# KiCad board panel2.kicad_pcb (continued)
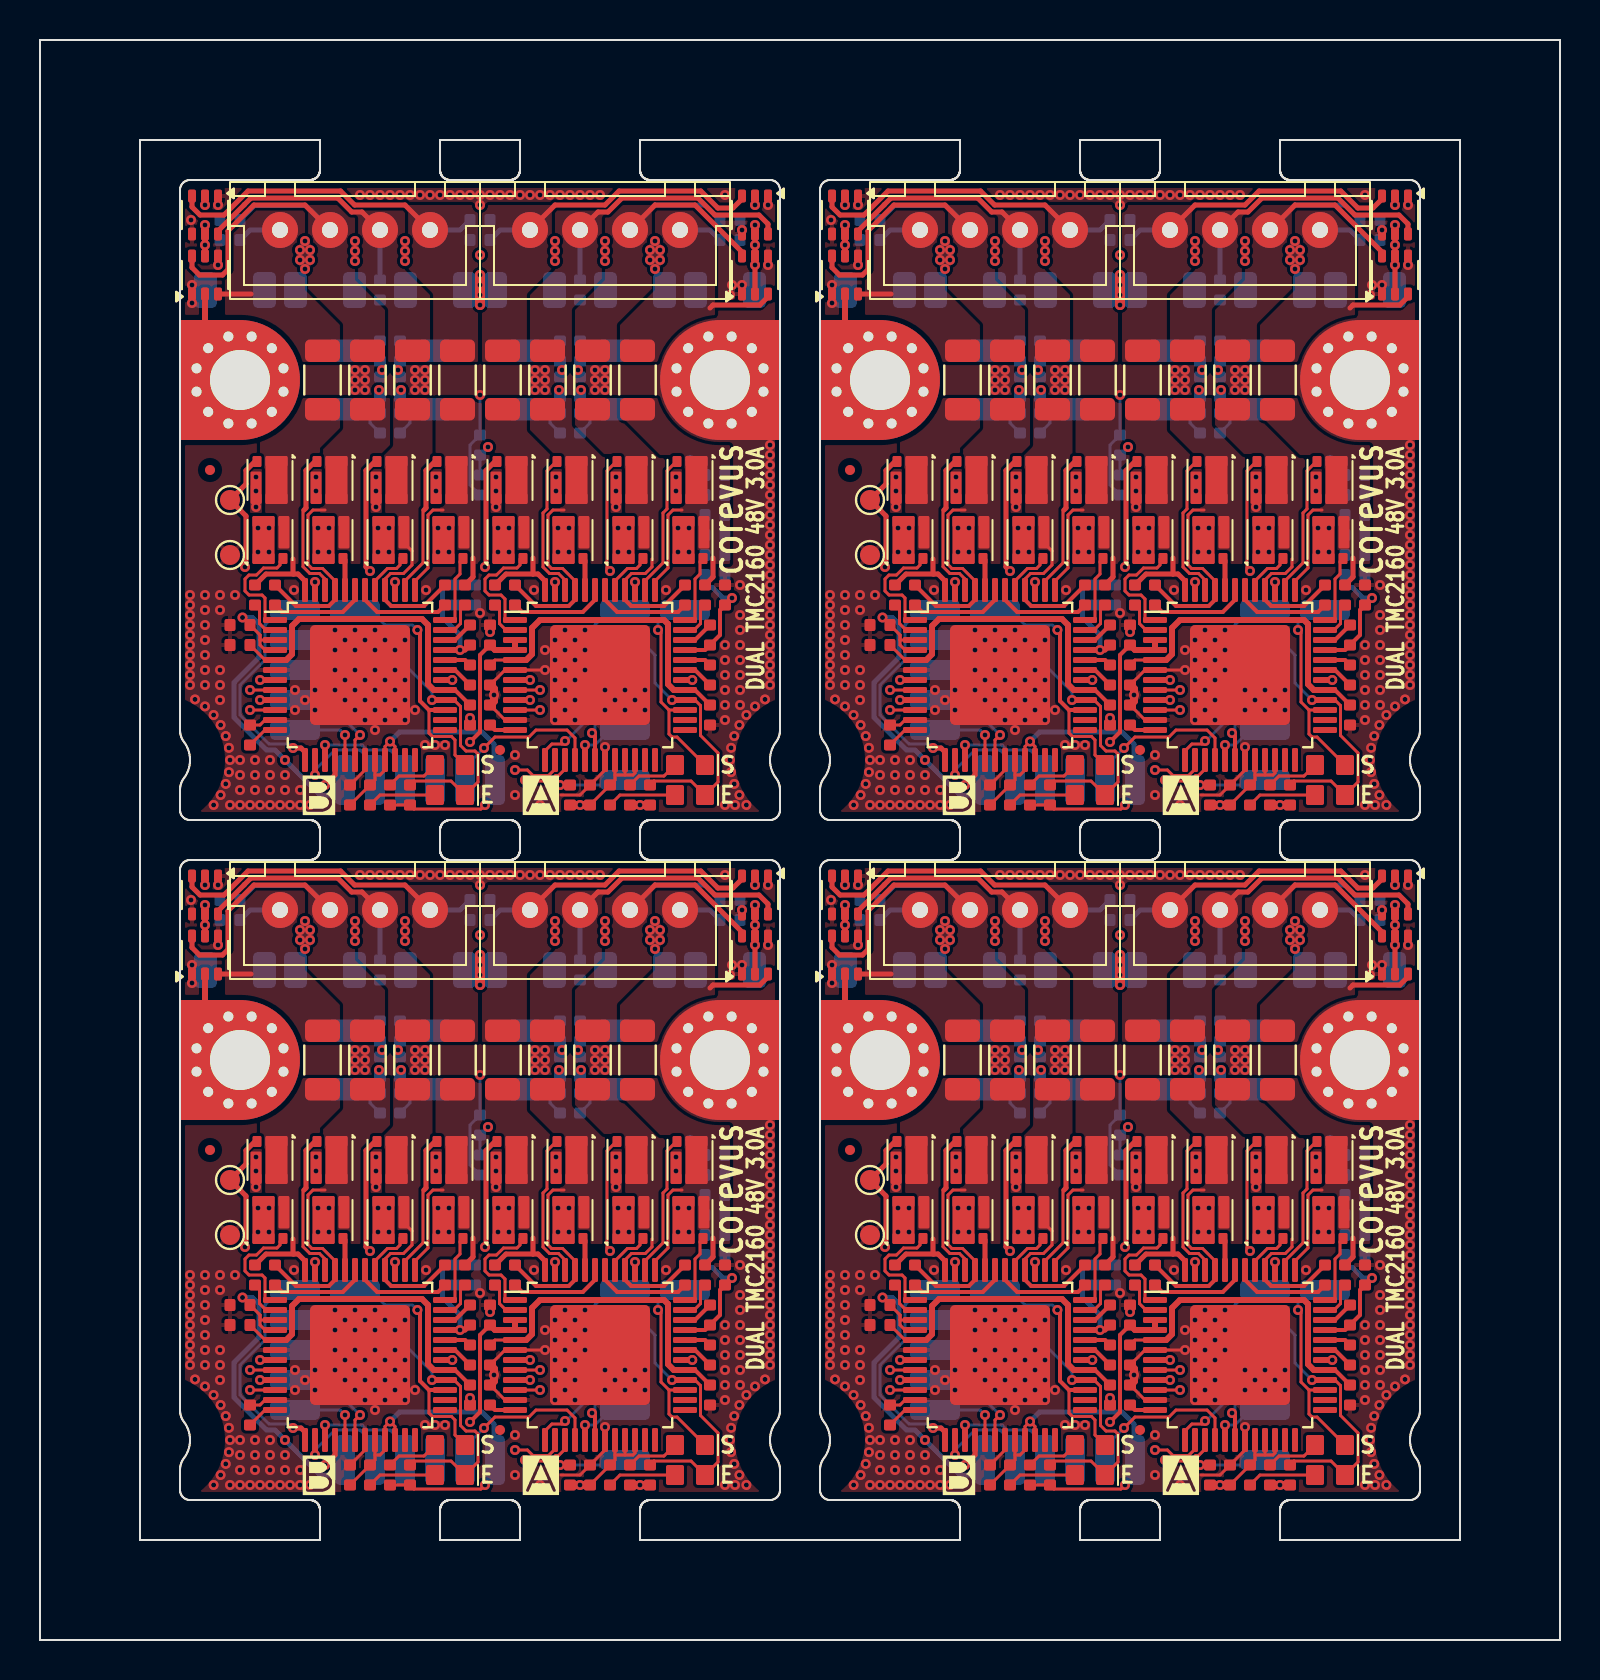
[diagram p0: board, top side]
## Nets (continued)
Board_3-/_{MB}A1': C35#4.2 D7#4.6 FB6#2.1 J2#3.3
Board_3-/_{MB}A2: C32#2.2 FB5#2.2 Q15.4 Q15.7 Q16.1 Q16.2 Q16.5 Q16.6 Q16.8 U2.37
Board_3-/_{MB}A2': C34.2 D7#4.3 FB5#2.1 J2#3.4
Board_3-/_{MB}B1: C29#2.2 FB8#2.2 Q9#2.4 Q9#2.7 Q10#2.1 Q10#2.2 Q10#2.5 Q10#2.6 Q10#2.8 U2.48
Board_3-/_{MB}B1': C37#4.2 D8#3.3 FB8#2.1 J2#3.1
Board_3-/_{MB}B2: C30.2 FB7#3.2 Q11#3.4 Q11#3.7 Q12#2.1 Q12#2.2 Q12#2.5 Q12#2.6 Q12#2.8 U2.45
Board_3-/_{MB}B2': C36#4.2 D8#3.6 FB7#3.1 J2#3.2
Board_3-/_{MB}Dir: T18.1 U2.18
Board_3-/_{MB}HA1: Q13.3 U2.41
Board_3-/_{MB}HA2: Q15.3 U2.36
Board_3-/_{MB}HB1: Q9#2.3 U2.1
Board_3-/_{MB}HB2: Q11#3.3 U2.44
Board_3-/_{MB}LA1: Q14#4.3 U2.39
Board_3-/_{MB}LA2: Q16.3 U2.38
Board_3-/_{MB}LB1: Q10#2.3 TP5.1 U2.47
Board_3-/_{MB}LB2: Q12#2.3 U2.46
Board_3-/_{MB}SRAH: C41.2 R19.2 U2.8
Board_3-/_{MB}SRAL: C41.1 R21#4.2 U2.7
Board_3-/_{MB}SRBH: C33#2.2 R14#3.2 U2.9
Board_3-/_{MB}SRBL: C33#2.1 R15.2 U2.10
Board_3-/_{MB}Stall: D6#2.1 T1#4.1 U2.27
Board_3-/_{MB}Step: T15#3.1 U2.17
Board_3-/_{MB}~{CS}: T2.1 U2.13
Board_3-/_{MB}~{En}: D5#2.1 R4#2.2 T19#4.1 U2.28
Board_3-/SCK: T4#4.1 U1.14 U2.14
Board_3-/SDI: T6.1 U1.15 U2.15
Board_3-/SDO: T7#2.1 U1.16 U2.16
Board_3-/THERM: C13#2.1 R20#3.1 T9.1 TH1#2.1
Board_3-GND: C3#3.1 C4#2.1 C5#4.1 C6#3.2 C7#2.2 C12#4.2 C13#2.2 C14#3.2 C15.2 C16#3.1 C17#4.1 C18.1 C19#2.1 C24#4.1 C25.1 C26.1 C27.2 C28.2 C34.1 C35#4.1 C36#4.1 C37#4.1 C38#3.2 C39.2 C40#2.2 C42#3.2 C43#4.2 C44.2 C45#2.2 C46.2 C47#2.2 C48#3.2 C49#3.2 C50#3.2 D3#3.1 D3#3.4 D4#4.1 D4#4.4 D7#4.1 D7#4.4 D8#3.1 D8#3.4 H2#4.1 NT2.2 NT4.1 NT6#3.2 NT8#4.1 R3#2.2 R5.2 R10#4.2 R13#2.2 R17.2 R18#2.2 T5#2.1 T12#3.1 T16#3.1 TH1#2.2 TP1.1 U1.6 U1.11 U1.19 U1.30 U1.49 U2.6 U2.11 U2.19 U2.30 U2.49
Board_3-Net-(D1-A): D1.2 R1#3.2
Board_3-Net-(D2-A): D2#4.2 R16#4.2
Board_3-Net-(D5-A): D5#2.2 R6.2
Board_3-Net-(D6-A): D6#2.2 R7.2
Board_3-Net-(NT1-Pad1): NT1#2.1 R8#4.1
Board_3-Net-(NT1-Pad2): NT1#2.2 Q2.4 Q2.7 Q4#2.4 Q4#2.7 R10#4.1
Board_3-Net-(NT2-Pad1): NT2.1 R9#2.1
Board_3-Net-(NT3-Pad1): NT3#2.1 Q6.4 Q6.7 Q8#3.4 Q8#3.7 R13#2.1
Board_3-Net-(NT3-Pad2): NT3#2.2 R11.1
Board_3-Net-(NT4-Pad2): NT4.2 R12#2.1
Board_3-Net-(NT5-Pad1): NT5.1 R14#3.1
Board_3-Net-(NT5-Pad2): NT5.2 Q10#2.4 Q10#2.7 Q12#2.4 Q12#2.7 R17.1
Board_3-Net-(NT6-Pad1): NT6#3.1 R15.1
Board_3-Net-(NT7-Pad1): NT7#2.1 Q14#4.4 Q14#4.7 Q16.4 Q16.7 R18#2.1
Board_3-Net-(NT7-Pad2): NT7#2.2 R19.1
Board_3-Net-(NT8-Pad2): NT8#4.2 R21#4.1
Board_3-Net-(U1-5VOUT): C4#2.2 C5#4.2 U1.5 U1.29
Board_3-Net-(U1-CA1): C10#2.1 U1.42
Board_3-Net-(U1-CA2): C11#4.1 U1.35
Board_3-Net-(U1-CB1): C8#4.1 U1.2
Board_3-Net-(U1-CB2): C9#2.1 U1.43
Board_3-Net-(U1-CLK): R3#2.1 U1.12
Board_3-Net-(U1-CPI): C2#4.2 U1.32
Board_3-Net-(U1-CPO): C2#4.1 U1.31
Board_3-Net-(U1-VCP): C1#3.1 U1.34
Board_3-Net-(U2-5VOUT): C24#4.2 C25.2 U2.5 U2.29
Board_3-Net-(U2-CA1): C31#2.1 U2.42
Board_3-Net-(U2-CA2): C32#2.1 U2.35
Board_3-Net-(U2-CB1): C29#2.1 U2.2
Board_3-Net-(U2-CB2): C30.1 U2.43
Board_3-Net-(U2-CLK): R5.1 U2.12
Board_3-Net-(U2-CPI): C23#4.2 U2.32
Board_3-Net-(U2-CPO): C23#4.1 U2.31
Board_3-Net-(U2-VCP): C22#4.1 U2.34
Board_3-unconnected-(U1-DCEN_CFG4-Pad23): U1.23
Board_3-unconnected-(U1-DCIN_CFG5-Pad24): U1.24
Board_3-unconnected-(U1-DCO_CFG6-Pad25): U1.25
Board_3-unconnected-(U1-DIAG0-Pad26): U1.26
Board_3-unconnected-(U2-DCEN_CFG4-Pad23): U2.23
Board_3-unconnected-(U2-DCIN_CFG5-Pad24): U2.24
Board_3-unconnected-(U2-DCO_CFG6-Pad25): U2.25
Board_3-unconnected-(U2-DIAG0-Pad26): U2.26
Board_3-VCC: C3#3.2 C26.2 R1#3.1 R2#4.1 R4#2.1 R6.1 R7.1 R16#4.1 R20#3.2 T8#2.1 U1.20 U1.21 U1.22 U2.20 U2.21 U2.22

## Via types
v1: diameter 0.5, hole 0.25, Top to Bottom, 1576 vias

## Routing (per net, layer and track width the routed paths; a pad name or vN(x,y) marks a point on that pad's centre or on a via; arc(x,y) is an arc through that point)
Board_0-+12V: length 36.4
  Top w0.15: 11,50.25 11,49.75 11.25,49.5 ; 11,50.25 C27#2.1 v1(10.12,51.12) ; 11,50.25 11,50 U2#4.3
  Top w0.2: C6#2.1 22,49.25 22,45.4 v1(21.5,44.9)
  Top w0.3: C6#2.1 22.75,49.5 U1#4.4 U1#4.3
  In2.Cu w0.25: v1(12.25,44) 12.75,44 14,45.25 14.5,45.25 14.75,45 14.75,43.25 15,43 20.25,43 21.5,44.25 v1(21.5,44.9)
  Bottom w0.25: v1(10.12,51.12) 10.62,51.12 10.95,50.8 10.95,49.12 9.7,47.87 9.7,46.13 11.33,44.5 11.75,44.5 v1(12.25,44) 14,42.25 15.25,42.25
Board_0-+48V: length 19.3
  Top w0.2: U1#4.33 33.25,49.5 34,50.25 34,51.5 v1(34.6,52.1)
  Top w0.25: 35.75,67.55 v1(35.75,68.75) v1(35.75,69.75) v1(35.75,70.75) ; C22.2 21.25,49.5 v1(21,49.5) U2#4.33 ; D3#4.2 v1(35.75,71.75)
  Top w0.3: D8#4.2 8.25,65.5 ; v1(8.25,70.75) v1(8.25,69.75) D8#4.5
  Top w0.5: v1(22,68.25) v1(22,66.75)
  Bottom w0.25: 20.12,52.75 20.12,51.12 21,50.25 v1(21,49.5) ; 33.12,52.62 33.62,52.62 34.15,52.1 v1(34.6,52.1)
  vias: v1(8.25,71.75) v1(10.9,55.6) v1(10.9,54.4) v1(11.45,55.6) v1(11.45,54.4) v1(13,69.5) v1(13,69) v1(13.25,69.95) v1(13.25,68.55) v1(13.5,69.5) v1(13.5,69) v1(13.9,55.6) v1(13.9,54.4) v1(14.45,55.6) v1(14.45,54.4) v1(16.9,55.6) v1(16.9,54.4) v1(17.45,55.6) v1(17.45,54.4) v1(19.9,55.6) v1(19.9,54.4) v1(20.45,55.6) v1(20.45,54.4) v1(22,67.75) v1(22,67.25) v1(22.9,55.6) v1(22.9,54.4) v1(23.45,55.6) v1(23.45,54.4) v1(25.9,55.6) v1(25.9,54.4) v1(26.45,55.6) v1(26.45,54.4) v1(28.9,55.6) v1(28.9,54.4) v1(29.45,55.6) v1(29.45,54.4) v1(30.5,69.5) v1(30.5,69) v1(30.75,69.95) v1(30.75,68.55) v1(31,69.5) v1(31,69) v1(31.9,55.6) v1(31.9,54.4) v1(32.45,55.6) v1(32.45,54.4)
Board_0-/_{MA}A1: length 5.6
  Top w0.15: 30.6,54.05 30.6,53.66 30.27,53.33 29.57,53.33 29.25,53
  Top w0.2: C10#3.2 31.2,51.7 29.56,51.7 29.25,52.01
Board_0-/_{MA}A1': length 12.6
  Top w0.25: J1.3 30.75,71.75 32.75,71.75 35.1,69.4 D4#3.6
  Bottom w0.25: C17.2 33.25,71.75 30.75,71.75 J1.3
Board_0-/_{MA}A2: length 5.9
  Top w0.15: 32.1,56.5 31.65,56.5 31.4,56.25 31.4,53.6 30.75,52.95
  Top w0.25: C11.2 33.65,53.15 33.65,54.1
Board_0-/_{MA}A2': length 5.6
  Top w0.25: 33.5,66.6 33.65,66.75 35.99,66.75 36.4,67.16 36.4,67.4
  Bottom w0.25: J1.4 33.5,70.5 C16#2.2
Board_0-/_{MA}B1: length 3.7
  Top w0.25: C8.2 23.3,53.3 24.65,53.3 ; 25.25,52.95 24.9,53.3 24.65,53.3 ; 24.65,53.3 24.65,54.1
Board_0-/_{MA}B1': length 14.3
  Top w0.25: D3#4.3 35.1,72.05 34.65,71.6 33.89,71.6 33.04,72.45 28.95,72.45 28.25,71.75 25.75,71.75 J1.1
  Bottom w0.25: J1.1 23,70.5 C19#3.2
Board_0-/_{MA}B2: length 8.6
  Top w0.15: 26.75,52.96 26.13,53.58 25.58,53.58 25.4,53.75 25.4,56.25 25.65,56.5 26.2,56.5
  Top w0.2: C9#3.2 24.8,51.7 26.44,51.7 26.75,52.01
Board_0-/_{MA}B2': length 13.1
  Top w0.25: D3#4.6 36.4,70.8 35.95,71.25 33.74,71.25 32.89,72.1 29.1,72.1 28.4,71.4 27.9,71.4 J1.2
  Bottom w0.25: C18#4.2 27,70
Board_0-/_{MA}Dir: length 4.9
  Top w0.2: U1#4.18 27.75,45.2 v1(27.6,45.35)
  Bottom w0.15: 28.5,48.5 27.75,47.75 27.75,45.5 v1(27.6,45.35)
Board_0-/_{MA}HA1: length 1.8
  Top w0.15: 28.75,52.96 29.37,53.58 29.82,53.58 30,53.75 30,53.92
Board_0-/_{MA}HA2: length 3
  Top w0.15: 33,53.92 33,53.3 32.75,53.05 32.75,51
Board_0-/_{MA}HB1: length 5.2
  Top w0.15: 23.25,51 23.25,52.05 23.05,52.25 22.45,52.25 22.25,52.45 22.25,53.05 22.45,53.25 22.83,53.25 23.18,53.6 23.85,53.6 24,53.75 24,54.05
Board_0-/_{MA}HB2: length 1.5
  Top w0.25: 27.25,53.98 U1#4.44
Board_0-/_{MA}LA1: length 7.2
  Top w0.15: v1(28.5,53.45) 28.35,53.6 28.35,58.46 28.82,58.92
  In2.Cu w0.25: v1(29.75,52.9) 29.05,52.9 v1(28.5,53.45)
Board_0-/_{MA}LA2: length 6.6
  Top w0.15: 30.25,52.96 31.15,53.86 31.15,56.35 31.35,56.55 31.35,58.46 31.82,58.92
Board_0-/_{MA}LB1: length 10.2
  Top w0.25: v1(22.25,53.65) 22.3,53.7 22.3,58.48 22.75,58.92
  In2.Cu w0.25: v1(22.25,53.65) 23.95,51.95 24.95,51.95 25.75,52.75 v1(25.75,52.9)
Board_0-/_{MA}LB2: length 6.9
  Top w0.15: 25.82,58.92 25.35,58.46 25.35,56.55 25.15,56.35 25.15,53.65 25.47,53.33 25.93,53.33 26.25,53
Board_0-/_{MA}SRAH: length 19.6
  Top w0.15: U1#4.8 v1(25,47.5)
  In2.Cu w0.15: v1(25,47.5) 25,48.1 24.5,48.6 24.5,49.5 27.75,52.75 27.75,53.5 28,54.12 28,59.35 26.88,60.48 26.88,62.33 v1(27.05,62.5)
  Bottom w0.4: v1(27.05,62.5) 27,62.45 C21.2 R11#2.2
Board_0-/_{MA}SRAL: length 19.2
  Top w0.15: U1#4.7 v1(24.5,48)
  In2.Cu w0.15: v1(26.9,63.5) 26.62,63.23 26.62,60.38 27.75,59.25 27.75,54.25 27.5,53.62 27.5,52.85 24.25,49.6 24.25,48.25 v1(24.5,48)
  Bottom w0.4: R12.2 26.9,63.85 26.9,63.25 C21.1
Board_0-/_{MA}SRBH: length 23.1
  Top w0.15: U1#4.9 v1(24.5,47)
  In2.Cu w0.15: v1(25.95,62.5) 26.12,62.33 26.12,60.17 27.25,59.04 27.25,54.5 27,53.88 27,53.06 23.75,49.81 23.75,46.8 24.55,46 25.12,46 25.43,46.3 25.43,46.7 25.12,47 v1(24.5,47)
  Bottom w0.4: v1(25.95,62.5) 26,62.45 C20#2.2 R8.2
Board_0-/_{MA}SRBL: length 21.9
  Top w0.15: U1#4.10 v1(25,46.5)
  In2.Cu w0.15: v1(26.1,63.5) 26.38,63.23 26.38,60.27 27.5,59.15 27.5,54.38 27.25,53.75 27.25,52.96 24,49.71 24,46.9 24.4,46.5 v1(25,46.5)
  Bottom w0.4: C20#2.1 26.1,63.25 26.1,63.85 R9#3.2
Board_0-/_{MA}Stall: length 9.9
  Top w0.15: v1(30.9,50.5) 31.05,50.35 31.05,46.9 31.45,46.5 ; 31.45,46.5 31.45,45.3 31.6,45.15 31.85,45.15 D2#3.1 ; 31.45,46.5 U1#4.27
  Bottom w0.15: v1(30.9,50.5) 30.9,50.9 31.5,51.5
Board_0-/_{MA}Step: length 2.3
  Top w0.2: U1#4.17 v1(27.25,44.75)
  Bottom w0.15: v1(27.25,44.75) 27.75,44.75 28.5,45.5
Board_0-/_{MA}~{CS}: length 8.7
  Top w0.15: 25.25,44.46 25.59,44.8 26.1,44.8 v1(26.25,44.95)
  Bottom w0.15: v1(26.25,44.95) 26.3,44.95 27.5,46.15 27.5,47.85 27.75,48.1 27.75,50.75 28.5,51.5
Board_0-/_{MA}~{En}: length 12.9
  Top w0.15: 32.75,47 33.03,46.73 33.03,45.23 33.9,44.35 33.9,42.9 D1#4.1 32.55,42.95 30.7,42.95 R2#3.2 ; U1#4.28 v1(31.6,47)
  Bottom w0.15: 30.05,49.95 30.75,49.25 30.75,47.85 v1(31.6,47)
Board_0-/_{MB}A1: length 7
  Top w0.15: U2#4.40 17.25,53.05 17.53,53.33 18.18,53.33 18.6,53.75 18.6,54.45 18.2,54.85
  Top w0.2: 17.25,52.01 17.56,51.7 19.2,51.7 C31#3.2
Board_0-/_{MB}A1': length 11.4
  Top w0.25: 8.9,70.45 10.55,72.1 14.88,72.1 15.58,71.4 16.1,71.4 J2#2.3
  Bottom w0.25: C35.2 17,70
Board_0-/_{MB}A2: length 5.9
  Top w0.15: 20.15,56.5 19.65,56.5 19.4,56.25 19.4,53.6 18.75,52.95
  Top w0.25: C32#4.2 21.65,53.15 21.65,54.1
Board_0-/_{MB}A2': length 16.1
  Top w0.25: D7.3 7.6,71.65 8,71.25 9.2,71.25 10.4,72.45 15.03,72.45 15.73,71.75 18.25,71.75 J2#2.4
  Bottom w0.25: C34#4.2 21,70.5 J2#2.4
Board_0-/_{MB}B1: length 3.6
  Top w0.25: 12.65,53.3 12.65,54.05 ; 13.25,52.95 12.9,53.3 11.3,53.3 C29#4.2
Board_0-/_{MB}B1': length 3.9
  Top w0.25: D8#4.3 10.55,67.3
  Bottom w0.25: J2#2.1 10.5,70.5 C37.2
Board_0-/_{MB}B2: length 8.7
  Top w0.15: 14.75,52.96 14.13,53.58 13.6,53.58 13.4,53.77 13.4,56.25 13.65,56.5 14.25,56.5
  Top w0.2: C30#2.2 12.8,51.7 14.44,51.7 14.75,52.01
Board_0-/_{MB}B2': length 16
  Top w0.25: J2#2.2 13.25,71.75 10.69,71.75 9.4,70.46 9.4,68.53 9.12,68.25 7.97,68.25 7.6,68.62 D8#4.6
  Bottom w0.25: J2#2.2 13.28,71.72 10.72,71.72 C36.2
Board_0-/_{MB}Dir: length 5.6
  Top w0.15: U2#4.18 15.75,45 v1(16,45.25)
  Bottom w0.15: v1(16,45.25) 14.25,47 14.25,47.75 13.5,48.5
Board_0-/_{MB}HA1: length 1.9
  Top w0.15: 16.75,52.96 17.37,53.58 17.82,53.58 18,53.75 18,54.1
Board_0-/_{MB}HA2: length 3
  Top w0.15: 21,53.92 21,53.3 20.75,53.05 20.75,51
Board_0-/_{MB}HB1: length 5.1
  Top w0.15: 12,53.93 12,53.75 11.85,53.6 11.18,53.6 10.83,53.25 10.45,53.25 10.25,53.05 10.25,52.45 10.45,52.25 11.1,52.25 11.25,52.1 11.25,51
Board_0-/_{MB}HB2: length 1.5
  Top w0.25: U2#4.44 15.25,54
Board_0-/_{MB}LA1: length 7.2
  Top w0.25: v1(16.5,53.45) 16.3,53.65 16.3,58.48 16.75,58.92
  In2.Cu w0.25: v1(16.5,53.45) 17.05,52.9 v1(17.75,52.9)
Board_0-/_{MB}LA2: length 6.6
  Top w0.15: 18.25,52.96 19.15,53.86 19.15,56.5
  Top w0.25: 19.2,56.5 19.3,56.6 19.3,58.48 19.75,58.92
Board_0-/_{MB}LB1: length 10.8
  Top w0.25: v1(10.25,53.65) 10.3,53.7 10.3,56.2 TP5#2.1 10.3,57.8 10.3,58.48 10.75,58.93
  In2.Cu w0.25: v1(13.75,52.9) 13.75,52.75 12.95,51.95 11.95,51.95 v1(10.25,53.65)
Board_0-/_{MB}LB2: length 7.4
  Top w0.15: 13.15,56.5 13.15,53.67 13.49,53.33 13.97,53.33 14.25,53.05 U2#4.46
  Top w0.25: 13.2,56.5 13.3,56.6 13.3,58.48 13.75,58.92
Board_0-/_{MB}SRAH: length 20.8
  Top w0.15: v1(10.5,47.5) U2#4.8
  In2.Cu w0.15: v1(10.5,47.5) 11.15,47.5 15.75,52.1 15.75,53.5 16,54.12 16,58.84 17.88,60.72 17.88,62.33 v1(18.05,62.5)
  Bottom w0.3: C41#2.2 R19#2.2
  Bottom w0.4: v1(18.05,62.5) 18.05,62.2
Board_0-/_{MB}SRAL: length 19.4
  In2.Cu w0.15: v1(17.9,63.5) 17.62,63.23 17.62,60.82 15.75,58.95 15.75,54.25 15.5,53.62 15.5,52.21 11.29,48 v1(11,48)
  Bottom w0.4: C41#2.1 17.9,63.25 v1(17.9,63.5) 17.9,63.85 R21#2.2
Board_0-/_{MB}SRBH: length 22.9
  In2.Cu w0.15: v1(16.95,62.5) 17.12,62.33 17.12,61.03 15.25,59.15 15.25,54.5 15,53.88 15,52.41 11.34,48.75 10.65,48.75 9.75,47.85 9.75,46.5 10.25,46 10.75,46 11,46.25 v1(11,47)
  Bottom w0.3: C33#4.2 R14#2.2
  Bottom w0.4: v1(16.95,62.5) 16.95,62.2
Board_0-/_{MB}SRBL: length 22.9
  Top w0.15: v1(10.5,46.5) U2#4.10
  In2.Cu w0.15: v1(17.1,63.5) 17.38,63.23 17.38,60.93 15.5,59.05 15.5,54.38 15.25,53.75 15.25,52.31 11.44,48.5 10.75,48.5 10,47.75 10,47 v1(10.5,46.5)
  Bottom w0.4: R15#4.2 17.1,63.85 v1(17.1,63.5) 17.1,63.25 C33#4.1
Board_0-/_{MB}Stall: length 11.9
  Top w0.15: D6#3.1 20.75,44.25 20.75,45 20.57,45.17 19.62,45.17 19.45,45.34 19.45,46.5
  Top w0.2: U2#4.27 19.45,46.5 19,46.95 19,50.37 v1(18.87,50.5)
  Bottom w0.15: v1(18.87,50.5) 18.62,50.75 17.25,50.75 16.5,51.5
Board_0-/_{MB}Step: length 3.9
  Top w0.15: v1(15.25,45.25) U2#4.17
  Bottom w0.15: T15.1 15,45.5 v1(15.25,45.25)
Board_0-/_{MB}~{CS}: length 10.1
  Top w0.25: 13.25,44.4 13.05,44.6 v1(12.65,44.6)
  Bottom w0.15: v1(12.65,44.6) 12.45,44.8 11.45,44.8 10,46.25 10,47.75 11.25,49 11.25,50.75 12,51.5
Board_0-/_{MB}~{En}: length 17.1
  Top w0.15: 20.71,47 21.03,46.68 21.03,44.73 21.3,44.45 21.75,44.45 21.9,44.3 21.9,42.9 D5.1 20.55,42.95 18.7,42.95 R4.2 ; U2#4.28 v1(19.6,47)
  Bottom w0.15: 13.5,50 14.5,49 18,49 19.6,47.4 v1(19.6,47)
Board_0-/SCK: length 18.3
  Top w0.15: 25.75,43.54 25.43,43.23 24.64,43.23 24.37,43.5 v1(23.75,43.5)
  Top w0.25: v1(13.75,43.25) U2#4.14
  In2.Cu w0.15: v1(13.75,43.25) 13.75,42.6 14.1,42.25 20.5,42.25 21.25,43 23.25,43 v1(23.75,43.5)
  Bottom w0.15: v1(13.75,43.25) 13.75,43.5 14.75,44.5 16,44.5 16.75,43.75
Board_0-/SDI: length 21.6
  Top w0.15: 26.25,43.54 25.93,43.23 25.78,43.23 25.51,42.95 24.3,42.95 v1(24.25,43)
  Top w0.25: v1(14.25,44.75) U2#4.15
  In2.Cu w0.15: v1(14.25,44.75) 13.25,43.75 13.25,43.15 13.5,42.9 13.5,42.5 14,42 20.6,42 21.35,42.75 23.35,42.75 23.6,43 v1(24.25,43)
  Bottom w0.15: v1(14.25,44.75) 16.1,44.75 16.35,44.5 17.5,44.5 18.25,43.75
Board_0-/SDO: length 18.1
  Top w0.15: U1#4.16 26.75,45.1 26.35,45.5 24.8,45.5 24.45,45.15 22.75,45.15 v1(22.2,44.6)
  Top w0.25: U2#4.16 14.75,43.25 v1(14.25,42.75)
  In2.Cu w0.15: v1(14.25,42.75) 14.5,42.5 20.4,42.5 22.2,44.3 v1(22.2,44.6)
  Bottom w0.15: v1(22.2,44.6) 21.25,43.65
Board_0-/THERM: length 24.2
  Top w0.15: v1(26,42.75) R20#4.1
  In2.Cu w0.25: v1(22.4,59.65) 21.5,58.75 21.5,47.25 v1(26,42.75)
  Bottom w0.15: v1(22.4,59.65) C13#3.1 TH1#3.1 ; v1(26,42.75) 29,42.75
Board_0-GND: length 73.1
  Top w0.15: U1#4.6 25.25,48.5 v1(25.25,48.5) ; 28.25,43.5 C3#2.1 27,42.25 26.05,42.25 ; 23.25,48.5 C4#3.1 ; C25#2.1 v1(21.5,46.1) ; 11.25,46 11,45.75 R5#4.2 ; 23.25,46 R3#3.2 ; C26#4.1 16.25,43.5
  Top w0.25: v1(8.9,68.75) D8#4.4 ; U1#4.19 28.25,44.65 v1(28.25,44.65)
  Top w0.3: v1(8.9,71.75) D7.1
  Top w0.4: R3#3.2 22.7,46.95 22.7,47.55 C4#3.1
  In2.Cu w0.1: 14.55,53.5 14.95,54.5 14.95,54.55 ; 16.05,53.5 16.25,54 ; 26.55,53.5 26.95,54.5 ; 28.05,53.5 28.25,54
  In2.Cu w0.15: v1(16.25,62.5) 16.88,61.88 16.88,61.13 15,59.26 15,54.6 14.95,54.55 ; 16.25,54 16.25,58.74 18.12,60.62 18.12,61.88 v1(18.75,62.5) ; v1(16.25,63.5) 16.75,64 18.25,64 v1(18.75,63.5) ; v1(25.25,63.5) 25.75,64 27.25,64 v1(27.75,63.5) ; v1(27.75,62.5) 27.12,61.88 27.12,60.58 28.25,59.46 28.25,54 ; 26.95,54.5 27,54.55 27,58.94 25.88,60.06 25.88,61.88 v1(25.25,62.5)
  In2.Cu w0.5: H2#2.1 36.5,60.5 v1(36.5,59.75) v1(36.5,53.25)
  Bottom w0.15: v1(22,62.25) C13#3.2 21.5,59.75 21.5,57.75 TH1#3.2
  vias: v1(7.55,71) v1(7.5,52.25) v1(7.5,51.75) v1(7.5,51.25) v1(7.5,50.75) v1(7.5,50.25) v1(7.5,49.75) v1(7.5,49.25) v1(7.5,48.75) v1(7.5,48.25) v1(7.5,47.75) v1(7.6,67.75) v1(7.6,66.85) v1(7.75,47.03) v1(8.25,46.68) v1(8.25,52.25) v1(8.25,51.5) v1(8.25,50.75) v1(8.25,50) v1(8.25,49.25) v1(8.25,48.5) v1(8.25,47.75) v1(8.68,46.25) v1(8.68,41.75) v1(9,52.25) v1(9,51.5) v1(9,48.5) v1(9,47.75) v1(9,47) v1(9.03,45.75) v1(9.03,42.25) v1(9.29,45.2) v1(9.29,42.8) v1(9.45,44.61) v1(9.45,43.39) v1(9.5,44) v1(9.5,41.75) v1(9.75,52.25) v1(10,44) v1(10,43.25) v1(10,42.5) v1(10,41.75) v1(10.5,41.75) v1(10.75,44) v1(10.75,43.25) v1(10.75,42.5) v1(11,41.75) v1(11.5,44) v1(11.5,43.25) v1(11.5,42.5) v1(11.5,41.75) v1(12,41.75) v1(12.25,43.25) v1(12.25,42.5) v1(12.5,41.75) v1(12.7,52.5) v1(12.75,47.5) v1(12.75,46.5) v1(13,42.5) v1(13,41.75) v1(13.25,47) v1(13.5,41.75) v1(13.75,47.5) v1(13.75,46.5) v1(14.75,50.5) v1(14.75,49.5) v1(14.75,48.5) v1(14.75,47.5) v1(15.25,50) v1(15.25,48) v1(15.25,47) v1(15.75,69.95) v1(15.75,69.45) v1(15.75,68.95) v1(15.75,63.5) v1(15.75,63) v1(15.75,62.5) v1(15.75,50.5) v1(15.75,49.5) v1(15.75,48.5) v1(15.75,47.5) v1(15.75,46.5) v1(16,72.25) v1(16.25,63) v1(16.25,50) v1(16.25,48) v1(16.25,47) v1(16.25,46) v1(16.5,72.25) v1(16.75,50.5) v1(16.75,49.5) v1(16.75,48.5) v1(16.75,47.5) v1(16.75,46.5) v1(16.75,45.5) v1(17,72.25) v1(17.25,50) v1(17.25,48) v1(17.25,47) v1(17.25,46) v1(17.5,72.25) v1(17.75,49.5) v1(17.75,48.5) v1(17.75,47.5) v1(17.75,46.5) v1(18,72.25) v1(18.25,69.95) v1(18.25,69.45) v1(18.25,68.95) v1(18.25,50) v1(18.25,48) v1(18.25,47) v1(18.25,46) v1(18.5,72.25) v1(18.75,63) v1(18.75,46.5) v1(19,72.25) v1(19.25,63.5) v1(19.25,63) v1(19.25,62.5) v1(19.3,52.5) v1(19.25,44.75) v1(19.5,72.25) v1(19.75,44.75) v1(20,72.25) v1(20.25,44.75) v1(20.5,72.25) v1(20.61,48) v1(21,72.25) v1(21.5,72.25) v1(22,72.25) v1(22,71.75) v1(22,69.25) v1(22,51.35) v1(22.5,72.25) v1(22.5,50.4) v1(22.7,47.25) v1(23,72.25) v1(23.5,72.25) v1(23.75,44.25) v1(23.75,42.25) v1(24,72.25) v1(24.5,72.25) v1(24.75,63.5) v1(24.75,63) v1(24.75,62.5) v1(24.7,52.5) v1(25,72.25) v1(25,41.75) v1(25.25,63) v1(25.25,49.5) v1(25.5,72.25) v1(25.75,69.95) v1(25.75,69.45) v1(25.75,68.95) v1(25.75,50) v1(25.75,49) v1(25.75,48) v1(25.75,47) v1(25.75,46) v1(26,72.25) v1(26.25,50.5) v1(26.25,49.5) v1(26.25,48.5) v1(26.25,47.5) v1(26.25,46.5) v1(26.5,72.25) v1(26.75,50) v1(26.75,49) v1(26.75,48) v1(26.75,47) v1(26.75,46) v1(27,72.25) v1(27.25,50.5) v1(27.25,49.5) v1(27.25,48.5) v1(27.5,72.25) v1(27.75,63) v1(28,72.25) v1(28.25,69.95) v1(28.25,69.45) v1(28.25,68.95) v1(28.25,63.5) v1(28.25,63) v1(28.25,62.5) v1(28.25,47.5) v1(28.25,46.5) v1(28.75,47) v1(29.25,47.5) v1(29.25,46.5) v1(29.75,47) v1(30.25,47.5) v1(30.25,46.5) v1(31.3,52.5) v1(32.61,48) v1(34.25,72.25) v1(34.25,49.75) v1(34.25,49) v1(34.25,48.25) v1(34.25,47.5) v1(34.25,46.75) v1(34.25,46) v1(34.25,41.75) v1(34.5,67.25) v1(34.5,44) v1(34.6,67.75) v1(34.55,44.61) v1(34.55,43.39) v1(34.71,45.2) v1(34.71,42.8) v1(34.75,41.75) v1(35,52.75) v1(35,51.25) v1(35,50.5) v1(35,49.75) v1(35,49) v1(35,48.25) v1(35,47.5) v1(35,46.75) v1(34.97,45.75) v1(34.97,42.25) v1(35.1,70.5) v1(35.1,67.75) v1(35.32,46.25) v1(35.32,41.75) v1(35.75,46.68) v1(36.25,47.03) v1(36.4,71.75) v1(36.4,68.75) v1(36.5,59.25) v1(36.5,58.75) v1(36.5,58.25) v1(36.5,57.75) v1(36.5,57.25) v1(36.5,56.75) v1(36.5,56.25) v1(36.5,55.75) v1(36.5,55.25) v1(36.5,54.75) v1(36.5,54.25) v1(36.5,53.75) v1(36.5,52.75) v1(36.5,52.25) v1(36.5,51.75) v1(36.5,51.25) v1(36.5,50.75) v1(36.5,50.25) v1(36.5,49.75) v1(36.5,49.25) v1(36.5,48.75) v1(36.5,48.25) v1(36.5,47.75)
Board_0-Net-(D1-A): length 3.5
  Top w0.15: R1#4.2 29,42.25 D1#4.2
Board_0-Net-(D2-A): length 2.7
  Top w0.15: D2#3.2 31.2,43.2 29.95,43.2 R16#3.2
Board_0-Net-(D5-A): length 3.5
  Top w0.15: D5.2 17,42.25 R6#3.2
Board_0-Net-(D6-A): length 2.7
  Top w0.15: R7#2.2 17.95,43.2 19.2,43.2 D6#3.2
Board_0-Net-(NT1-Pad1): length 1.8
  Bottom w0.15: R8.1 25.5,60.85 25.5,61.7 NT1#4.1
Board_0-Net-(NT1-Pad2):
  vias: v1(22.8,58.15) v1(22.8,57.45) v1(22.8,56.65) v1(25.8,58.15) v1(25.8,57.45)
Board_0-Net-(NT2-Pad1): length 0.9
  Bottom w0.15: NT2#3.1 25.5,64.45 R9#3.1
Board_0-Net-(NT3-Pad1):
  vias: v1(28.8,58.15) v1(28.8,57.45) v1(28.8,56.65) v1(31.8,58.15) v1(31.8,57.45)
Board_0-Net-(NT3-Pad2): length 1.8
  Bottom w0.15: NT3.2 27.5,61.7 27.5,60.85 R11#2.1
Board_0-Net-(NT4-Pad2): length 0.9
  Bottom w0.15: NT4#2.2 27.5,64.45 R12.1
Board_0-Net-(NT5-Pad1): length 1.8
  Bottom w0.15: R14#2.1 16.5,60.85 16.5,61.7 NT5#2.1
Board_0-Net-(NT5-Pad2):
  vias: v1(10.8,58.15) v1(10.8,57.45) v1(10.8,56.65) v1(13.8,58.15) v1(13.8,57.45)
Board_0-Net-(NT6-Pad1): length 0.9
  Bottom w0.15: R15#4.1 16.5,64.45 NT6.1
Board_0-Net-(NT7-Pad1):
  vias: v1(16.8,58.15) v1(16.8,57.45) v1(16.8,56.65) v1(19.8,58.15) v1(19.8,57.45)
Board_0-Net-(NT7-Pad2): length 1.8
  Bottom w0.15: NT7#4.2 18.5,61.7 18.5,60.85 R19#2.1
Board_0-Net-(NT8-Pad2): length 0.9
  Bottom w0.15: NT8.2 18.5,64.45 R21#2.1
Board_0-Net-(U1-5VOUT): length 15.7
  Top w0.15: U1#4.5 22.75,49 C4#3.2
  Top w0.2: 32.75,47.5 C5.2
  Top w0.3: U1#4.5 24.31,49 24.6,49.29 24.6,50.6 25,51 31.2,51 31.4,50.8 31.4,47.79 31.69,47.5 U1#4.29
Board_0-Net-(U1-CA1): length 4.4
  Top w0.2: C10#3.1 31.9,51.4 28.86,51.4 28.25,52.01
Board_0-Net-(U1-CA2): length 1.5
  Top w0.15: C11.1 33.03,51.53 33.03,50.82 32.71,50.5
Board_0-Net-(U1-CB1): length 1.5
  Top w0.15: 23.29,50.5 22.97,50.82 22.97,51.53 C8.1
Board_0-Net-(U1-CB2): length 4.4
  Top w0.2: C9#3.1 24.1,51.4 27.14,51.4 27.75,52.01
Board_0-Net-(U1-CLK): length 1.4
  Top w0.2: R3#3.1 22.75,45.5 U1#4.12
Board_0-Net-(U1-CPI): length 1.4
  Top w0.2: U1#4.32 33.25,49 C2#2.2
Board_0-Net-(U1-CPO): length 1.1
  Top w0.2: 32.75,48.5 C2#2.1
Board_0-Net-(U1-VCP): length 1.1
  Top w0.2: 32.75,50 33.53,50.78
Board_0-Net-(U2-5VOUT): length 15.5
  Top w0.15: 11.25,49 C24.2
  Top w0.2: 20.75,47.5 C25#2.2
  Top w0.3: U2#4.5 12.31,49 12.6,49.29 12.6,50.7 12.95,51.05 19.1,51.05 19.4,50.75 19.4,47.79 19.69,47.5 U2#4.29
Board_0-Net-(U2-CA1): length 4.4
  Top w0.2: 16.25,52.01 16.86,51.4 19.9,51.4 C31#3.1
Board_0-Net-(U2-CA2): length 1.5
  Top w0.15: 20.71,50.5 21.03,50.82 21.03,51.52 C32#4.1
Board_0-Net-(U2-CB1): length 1.5
  Top w0.15: 11.29,50.5 10.97,50.82 10.97,51.53 C29#4.1
Board_0-Net-(U2-CB2): length 4.4
  Top w0.2: 15.75,52.01 15.14,51.4 12.1,51.4 C30#2.1
Board_0-Net-(U2-CLK): length 1.1
  Top w0.15: R5#4.1 11.25,45.5
Board_0-Net-(U2-CPI): length 1.4
  Top w0.2: C23.2 21.25,49 U2#4.32
Board_0-Net-(U2-CPO): length 1.1
  Top w0.2: 20.75,48.5 C23.1
Board_0-Net-(U2-VCP): length 1.1
  Top w0.2: 20.75,50 C22.1
Board_0-VCC: length 34.8
  Top w0.15: U1#4.22 29.75,43.35 29.65,43.25 29.25,43.25 ; C26#4.2 R6#3.1 16.75,43 16.75,43.25 ; 16.75,43.25 U2#4.20 ; 16.75,43.25 17,43.25 17.25,43.5 ; 28.75,43.25 29.25,43.25 ; 28.75,43.25 28.75,43 R1#4.1 C3#2.2 v1(27,41.75) R20#4.2 ; 28.75,43.25 U1#4.20 ; 29.25,43.25 U1#4.21 ; U2#4.21 17.25,44.67 v1(17.5,44.92) 17.75,44.67 U2#4.22 ; v1(22.25,41.75) 22.05,41.55 18.7,41.55 R4.1 R7#2.1
  Top w0.4: R2#3.1 v1(30,41.75) R16#3.1 ; C3#2.2 R20#4.2
  In2.Cu w0.15: v1(22.25,41.75) 24.25,41.75 24.68,42.17 25.32,42.17 25.75,41.75 v1(27,41.75) v1(30,41.75)
  Bottom w0.15: v1(22.25,41.75) 22.75,42.25
  Bottom w0.25: v1(17.5,44.92) 17.97,45.4 22.1,45.4 22.7,44.8 22.7,43.05
Board_1-+12V: length 36.4
  Top w0.15: 43,50.25 43,49.75 43.25,49.5 ; 43,50.25 43,50 U2#2.3 ; 43,50.25 C27#4.1 v1(42.12,51.12)
  Top w0.2: v1(53.5,44.9) 54,45.4 54,49.25 C6#4.1
  Top w0.3: C6#4.1 54.75,49.5 U1#2.4 U1#2.3
  In2.Cu w0.25: v1(44.25,44) 44.75,44 46,45.25 46.5,45.25 46.75,45 46.75,43.25 47,43 52.25,43 53.5,44.25 v1(53.5,44.9)
  Bottom w0.25: 47.25,42.25 46,42.25 v1(44.25,44) 43.75,44.5 43.33,44.5 41.7,46.13 41.7,47.87 42.95,49.12 42.95,50.8 42.62,51.12 v1(42.12,51.12)
Board_1-+48V: length 19.3
  Top w0.2: v1(66.6,52.1) 66,51.5 66,50.25 65.25,49.5 U1#2.33
  Top w0.25: D3#2.2 v1(67.75,71.75) ; 67.75,67.55 v1(67.75,68.75) v1(67.75,69.75) v1(67.75,70.75) ; C22#2.2 53.25,49.5 v1(53,49.5) U2#2.33
  Top w0.3: v1(40.25,70.75) v1(40.25,69.75) D8.5 ; D8.2 40.25,65.5
  Top w0.5: v1(54,68.25) v1(54,66.75)
  Bottom w0.25: v1(53,49.5) 53,50.25 52.12,51.12 52.12,52.75 ; v1(66.6,52.1) 66.15,52.1 65.62,52.62 65.12,52.62
  vias: v1(40.25,71.75) v1(42.9,55.6) v1(42.9,54.4) v1(43.45,55.6) v1(43.45,54.4) v1(45,69.5) v1(45,69) v1(45.25,69.95) v1(45.25,68.55) v1(45.5,69.5) v1(45.5,69) v1(45.9,55.6) v1(45.9,54.4) v1(46.45,55.6) v1(46.45,54.4) v1(48.9,55.6) v1(48.9,54.4) v1(49.45,55.6) v1(49.45,54.4) v1(51.9,55.6) v1(51.9,54.4) v1(52.45,55.6) v1(52.45,54.4) v1(54,67.75) v1(54,67.25) v1(54.9,55.6) v1(54.9,54.4) v1(55.45,55.6) v1(55.45,54.4) v1(57.9,55.6) v1(57.9,54.4) v1(58.45,55.6) v1(58.45,54.4) v1(60.9,55.6) v1(60.9,54.4) v1(61.45,55.6) v1(61.45,54.4) v1(62.5,69.5) v1(62.5,69) v1(62.75,69.95) v1(62.75,68.55) v1(63,69.5) v1(63,69) v1(63.9,55.6) v1(63.9,54.4) v1(64.45,55.6) v1(64.45,54.4)
Board_1-/_{MA}A1: length 5.6
  Top w0.15: 62.6,54.05 62.6,53.66 62.27,53.33 61.57,53.33 61.25,53
  Top w0.2: 61.25,52.01 61.56,51.7 63.2,51.7 C10.2
Board_1-/_{MA}A1': length 12.6
  Top w0.25: J1#3.3 62.75,71.75 64.75,71.75 67.1,69.4 D4.6